# Altium PCB Masterboard_Lora_USB.PcbDoc
Units mm, origin at the board's own origin, x right, y up, seen from the top; angles counter-clockwise.
Board outline 80.5 x 75.5 mm, 2 copper layers (Top Layer, Bottom Layer), stack 1.57 mm thick; 69 components, 58 nets, 276 pads, 64 vias.
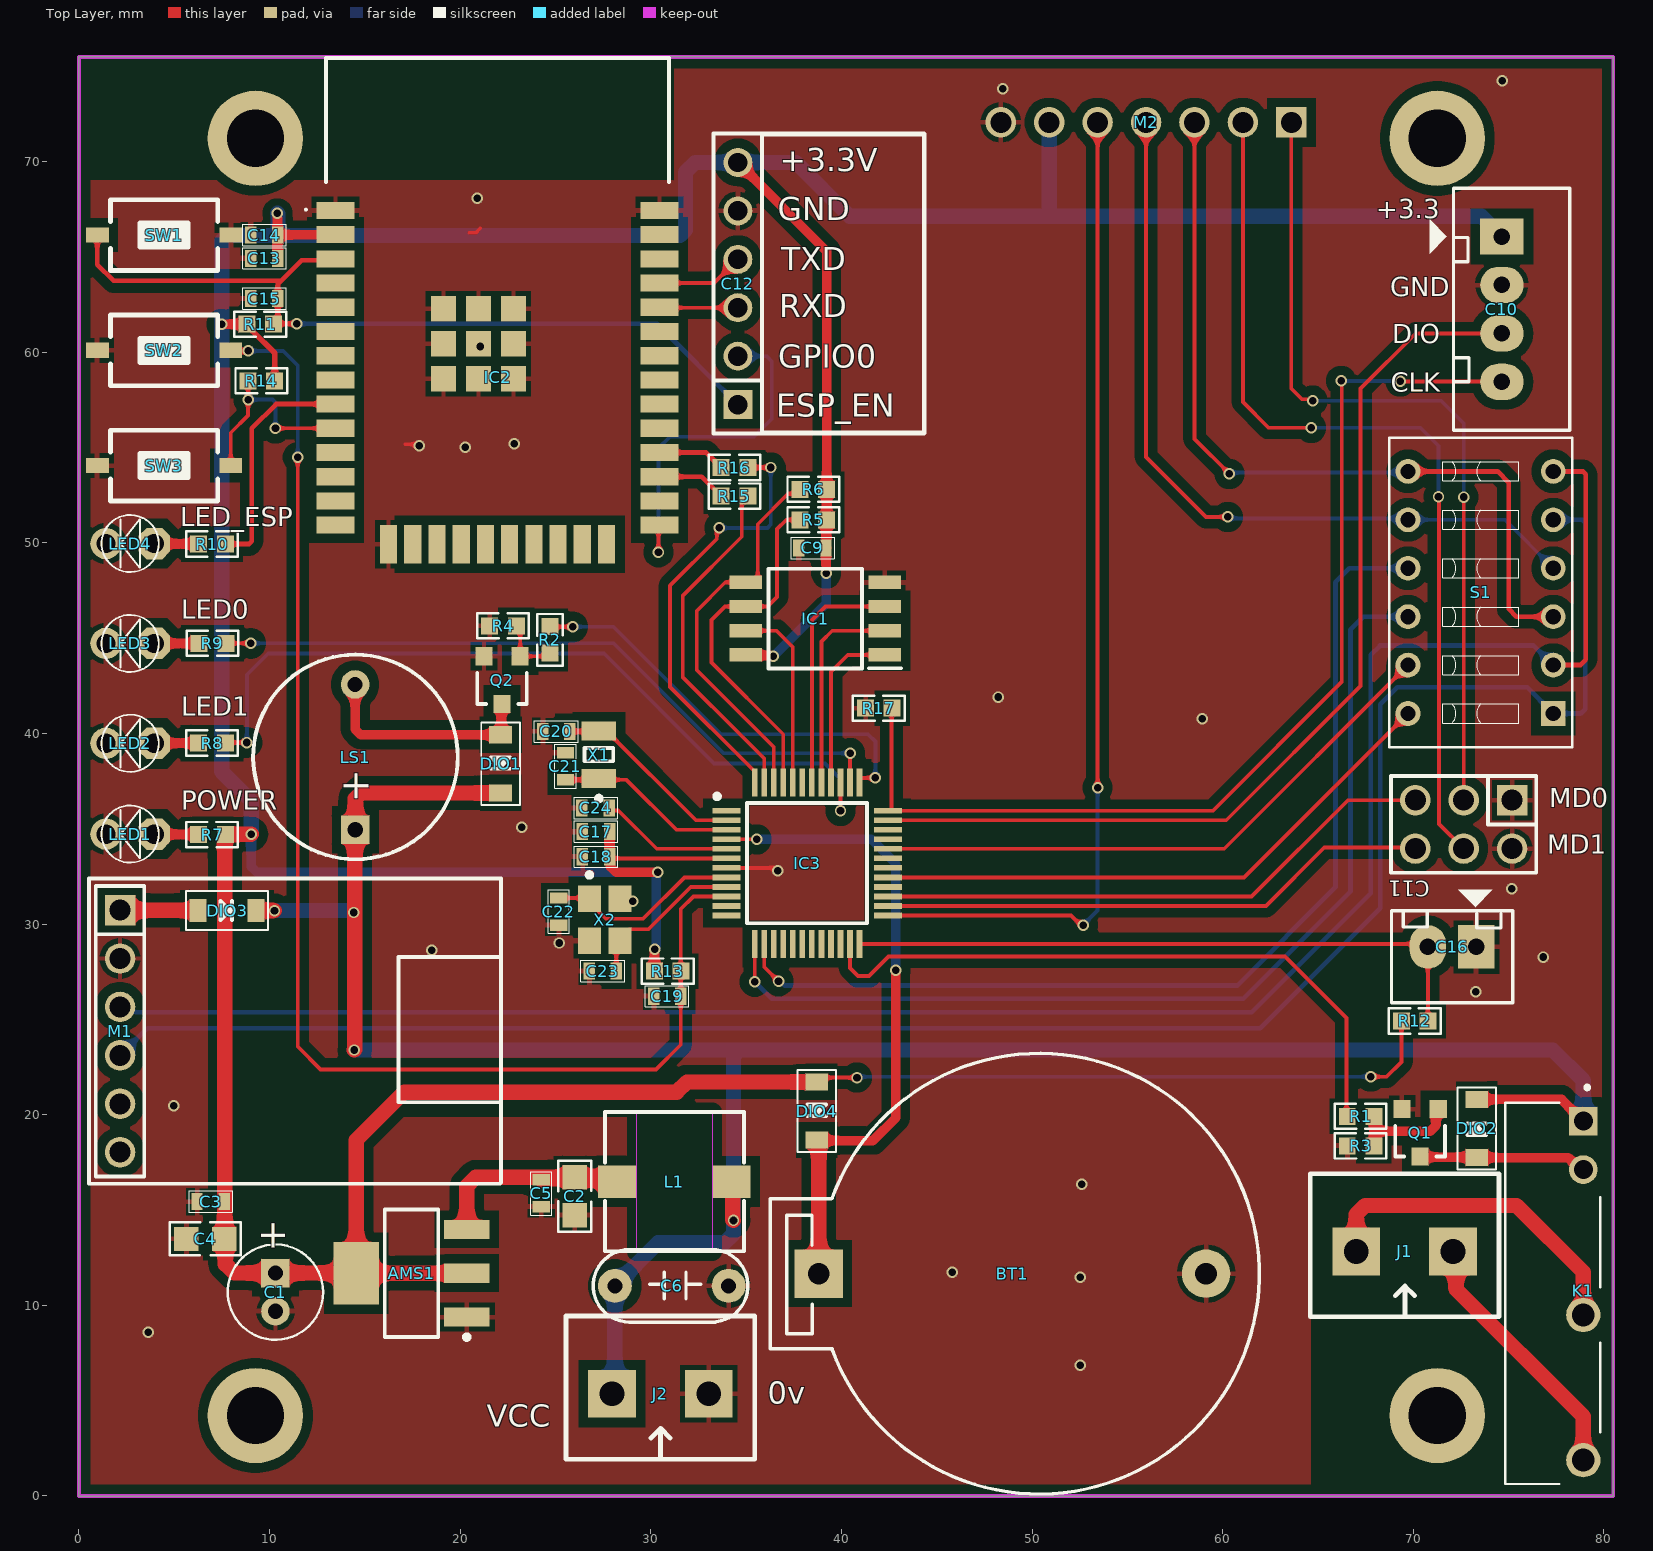
[diagram p0: Top Layer view]
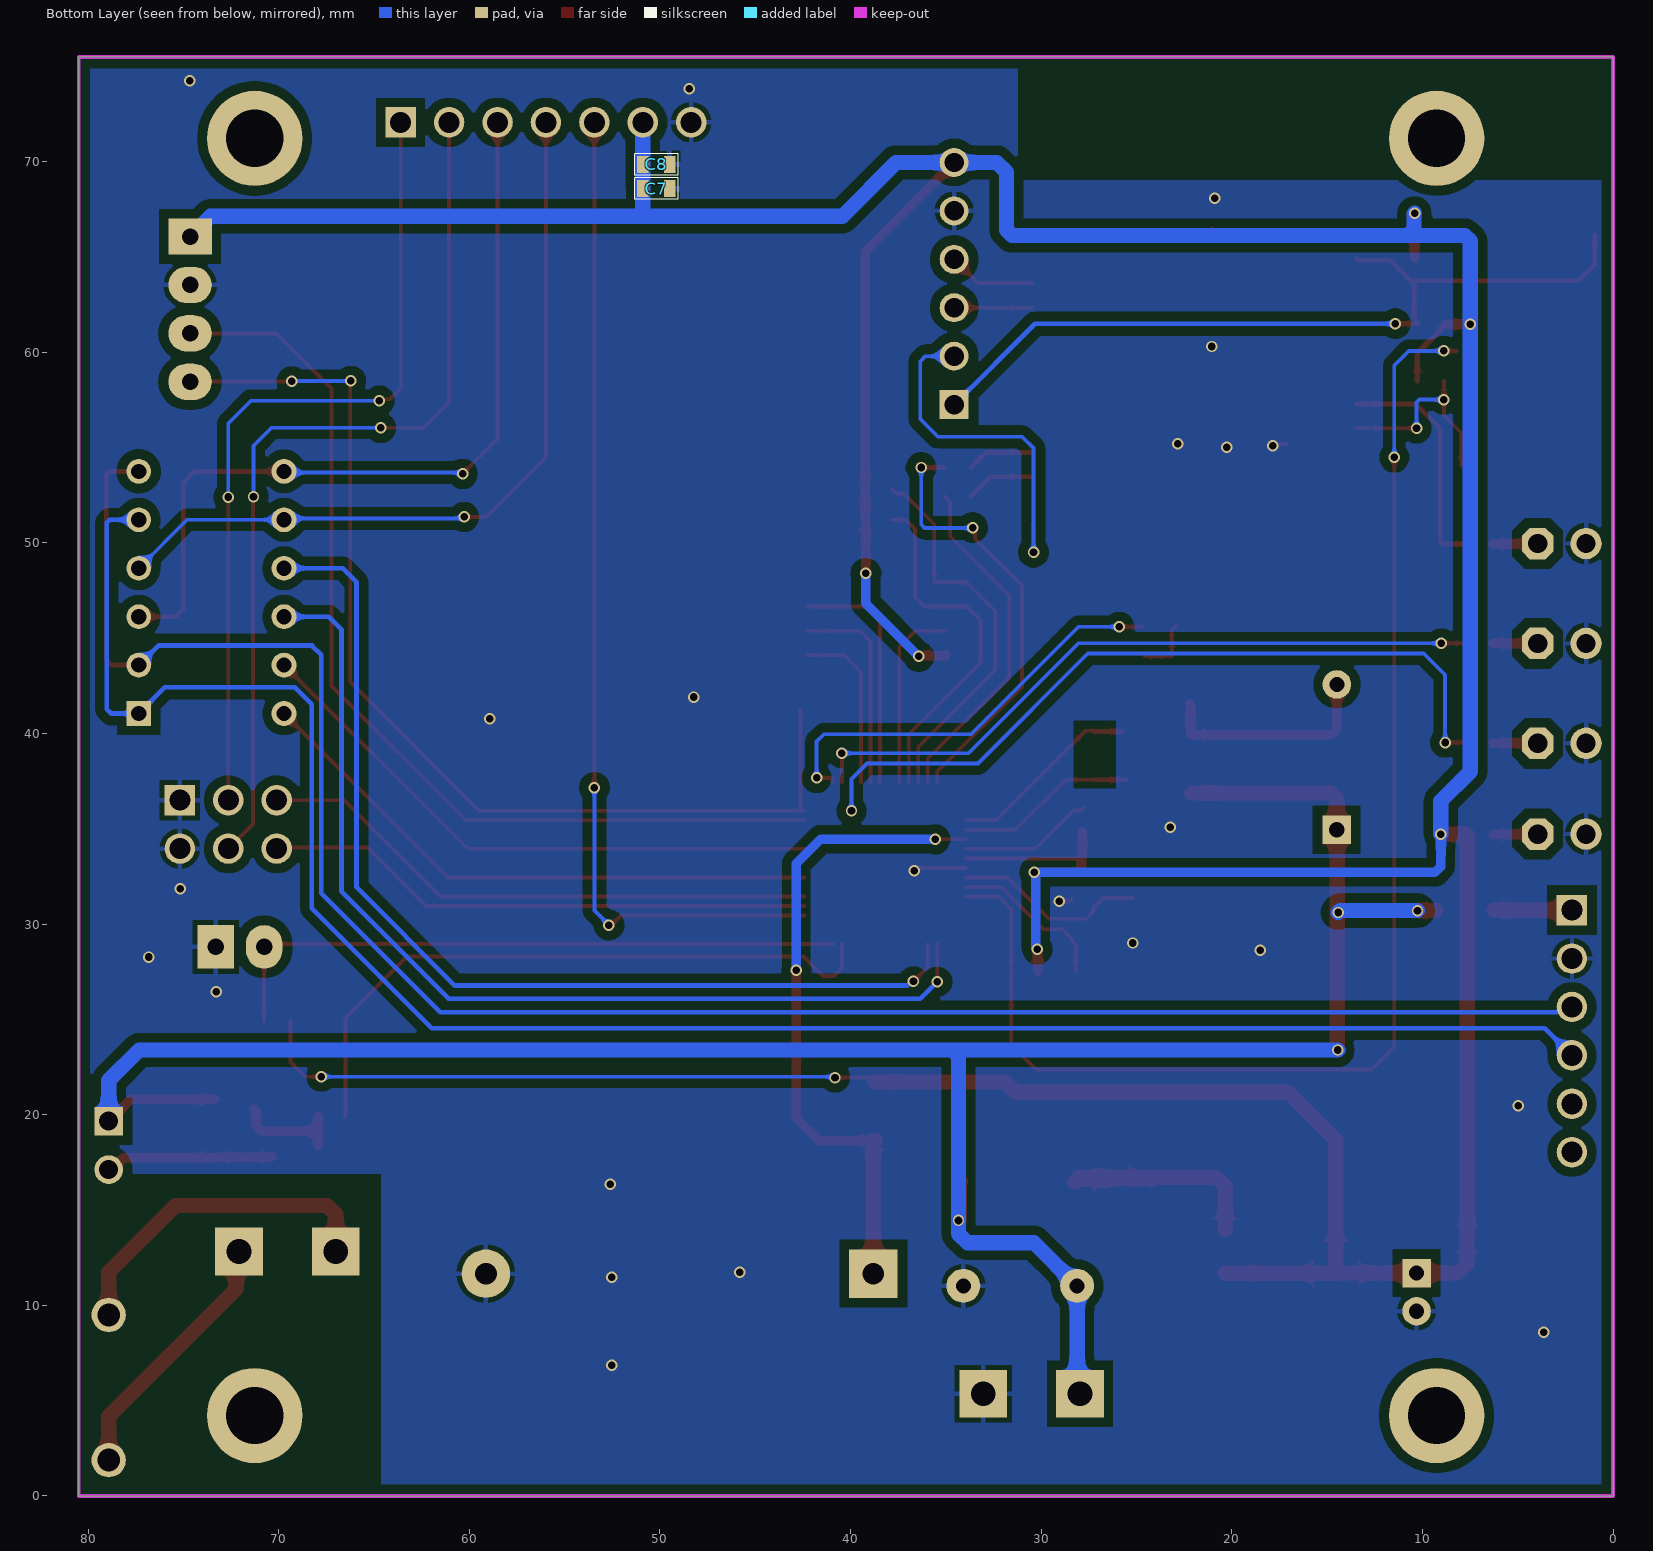
[diagram p1: Bottom Layer view, seen from below]
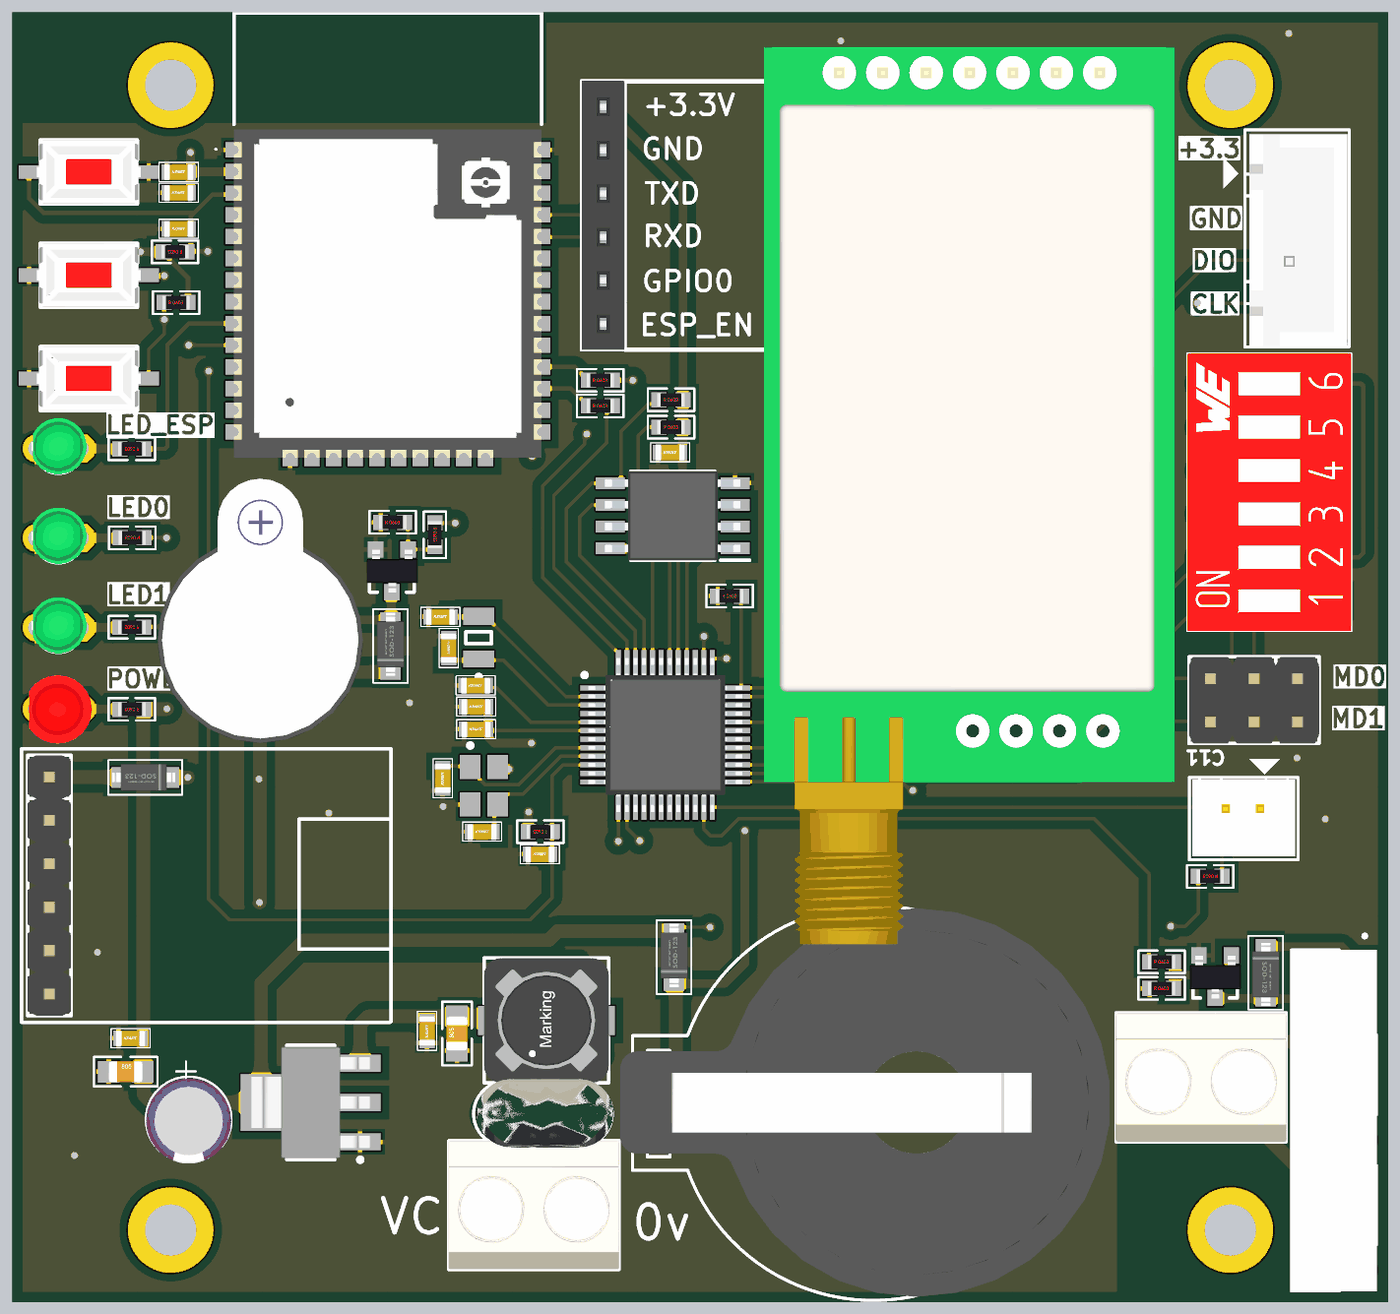
[diagram p2: 3D render of the assembled board from above, using the file's embedded part models]

## Layer stack, top to bottom
Top Solder: solder mask 0.0102, Solder Resist, Dk 3.5
Top Layer: signal copper 0.0356
Dielectric 1: core 1.4986, Core-043, Dk 4.3
Bottom Layer: signal copper 0.0356
Bottom Solder: solder mask 0.0102, Solder Resist, Dk 3.5

## Board outline
-0.008,-0.008 80.492,-0.008 80.492,75.492 -0.008,75.492

## Design rules (kind name [scope] priority, off if disabled: settings)
Clearance [All] p1: gap=0.25 ignorepadtopadclearanceinfootprint=TRUE except(0.5: Arc-Fill Arc-Poly Arc-Region Track-Fill Track-Poly Track-Region SMDPad-Fill SMDPad-Poly SMDPad-Region THPad-Fill THPad-Poly THPad-Region Via-Fill Via-Poly Via-Region Fill-Fill Fill-Poly Fill-Region Poly-Poly Poly-Region Region-Region)
PolygonConnect [All] p1: thpad.connectstyle=Relief thpad.reliefconductorwidth=0.254 thpad.reliefentries=4 thpad.polygonreliefangle="90 Angle" thpad.airgapwidth=0.254 smdpad.connectstyle=Relief smdpad.reliefconductorwidth=0.254 smdpad.reliefentries=4 smdpad.polygonreliefangle="90 Angle" smdpad.airgapwidth=0.254 via.connectstyle=Direct via.reliefconductorwidth=0.254 via.reliefentries=4 via.polygonreliefangle="90 Angle" via.airgapwidth=0.254
RoutingVias [All] p1: holewidth=0.4 width=0.6 viastyle="Through Hole" minholewidth=0.4 minwidth=0.6 maxholewidth=0.4 maxwidth=0.6
SolderMaskExpansion [All] p1: expansion=0.102 istentingtop=FALSE
Width [All] p1: maxlimit=0.8 minlimit=0.2 preferedwidth=0.25
30 further rules are at their usual default settings.

## Components (designator, comment, footprint, x,y, rotation, side; value= is the part's Value field where it differs from the comment)
AMS1 "AMS1117" SOT223_N 17.45,11.684 r180 top
BT1 "PIN 3V" PIN3V 38.811,11.659 r0 top locked
C1 "100uF" CA-ALU-5 10.312,10.693 r270 top value=104
C2 "22uF" CAP_0805 26.01,15.723 r90 top
C3 "100nF" CAP_0603 6.909,15.443 r0 top
C4 "22uF" CAP_0805 6.629,13.487 r0 top
C5 "100nF" CAP_0603 24.257,15.875 r90 top
C6 "100nF" CN2.5 31.293,11.024 r180 top value=33pF
C7 "4.7uF" CAP_0603 50.19,68.58 r0 bottom
C8 "100nF" CAP_0603 50.19,69.85 r0 bottom
C9 "100nF" CAP_0603 38.481,49.733 r0 top
C10 "Header4" Header4 74.651,66.065 r270 top
C11 "JP3x2" JP3-D2T 72.644,35.23 r180 top
C12 "JP6" JP6-C1T 34.569,57.252 r90 top
C13 "4.7uF" CAP_0603 9.728,64.922 r0 top
C14 "100nF" CAP_0603 9.728,66.142 r0 top
C15 "100nF" CAP_0603 9.728,62.814 r0 top
C16 "Header2" Header2 73.304,28.804 r180 top
C17 "4.7uF" CAP_0603 27.127,34.849 r0 top
C18 "100nF" CAP_0603 27.127,33.528 r0 top
C19 "100nF" CAP_0603 30.861,26.213 r0 top
C20 "20pF" CAP_0603 25.044,40.107 r0 top
C21 "20pF" CAP_0603 25.527,38.278 r270 top
C22 "20pF" CAP_0603 25.171,30.658 r90 top
C23 "20pF" CAP_0603 27.483,27.534 r0 top
C24 "100nF" CAP_0603 27.102,36.093 r0 top
DIO1 "Diode SMD" DIO-SMD-123 22.123,38.405 r90 top value=1N5007
DIO2 "Diode SMD" DIO-SMD-123 73.33,19.279 r270 top value=1N5007
DIO3 "Diode SMD" DIO-SMD-123 7.772,30.709 r180 top value=1N5007
DIO4 "Diode SMD" DIO-SMD-123 38.71,20.193 r90 top value=1N5007
IC1 "24LC512-E_SM" SOIC127P794X203-8N 38.633,46.025 r180 top
IC2 "ESP32-WROOM-32UE_M113EH2800UH3Q0_" ESP32WROOM32UEM113EH2800UH3Q0 21.962,62.677 r0 top
IC3 "STM32G070CBT6" QFP50P900X900X160-48N 38.202,33.198 r0 top
J1 "KF2" KF2-5.08 69.545,12.827 r180 top
J2 "KF2" KF2-5.08 30.505,5.359 r180 top
K1 "HF49FD/005-1H12T" RELAY_HF49FD/005-1H12T 77.318,10.63 r270 top
L1 "3.3uH" L-SMD-M-7.3x4.5 31.242,16.485 r270 top
LED1 "LED" LED-3MM-RED 3.962,34.722 r180 top value="LED 3 ly Single Colour"
LED2 "LED" LED-3MM-GREEN 3.962,39.481 r180 top value="LED 3 ly Single Colour"
LED3 "LED" LED-3MM-GREEN 3.962,44.721 r180 top value="LED 3 ly Single Colour"
LED4 "LED" LED-3MM-GREEN 3.962,49.962 r180 top value="LED 3 ly Single Colour"
LS1 "Speaker" SPEAKER 14.503,34.95 r90 top locked
M1 "CP2102 Module MicroUSB" "CP2102 MODULE" 2.235,25.73 r180 top
M2 "Lora_AS32_1W" LORA_AS32-TTL-1W 55.982,72.175 r270 top locked
Q1 "2N222" SOT23-231 70.358,19.05 r180 top value=C1815
Q2 "2N222" SOT23-231 22.2,42.799 r180 top value=C1815
R1 "1K" RES_0603 67.234,19.914 r0 top
R2 "1K" RES_0603 24.714,44.907 r270 top
R3 "10K" RES_0603 67.234,18.364 r0 top
R4 "10K" RES_0603 22.25,45.644 r0 top
R5 "4.7K" RES_0603 38.532,51.206 r0 top
R6 "4.7K" RES_0603 38.532,52.807 r0 top
R7 "330R" RES_0603 6.985,34.696 r180 top
R8 "330R" RES_0603 6.985,39.497 r180 top
R9 "330R" RES_0603 7.01,44.729 r180 top
R10 "330R" RES_0603 6.985,49.936 r180 top
R11 "10K" RES_0603 9.512,61.468 r180 top
R12 "10K" RES_0603 70.079,24.917 r180 top
R13 "10K" RES_0603 30.886,27.534 r180 top
R14 "10K" RES_0603 9.576,58.496 r0 top
R15 "0R" RES_0603 34.392,52.451 r0 top
R16 "0R" RES_0603 34.392,53.95 r0 top
R17 "10K" RES_0603 41.961,41.326 r0 top
S1 "" SW-DIP6 73.533,47.396 r90 top
SW1 "SW" SW1-SMD 4.47,66.142 r180 top value="SW chip 2 pin"
SW2 "SW" SW1-SMD 4.47,60.096 r0 top value="SW chip 2 pin"
SW3 "SW" SW1-SMD 4.47,54.051 r0 top value="SW chip 2 pin"
X1 "32.768 KHZ" XT2-32.768KHz-2_V 27.28,38.887 r90 top value=4Mhz
X2 "XT4" XT4-16.000MHz-4_V 27.584,30.226 r270 top value=4Mhz

## Footprints (in the part's own frame and the unit in brackets; to place one, negate y for a bottom-side part, rotate by r counter-clockwise, add the part's x,y. Pads: shape width x height; smd on the part's side, far side on the other; paste and mask are expansions set on the pad)
CA-ALU-5 [mm] "Polarized capacitors, Aluminum Electrolytic Capacitors, 2-Leads, Body 5x11x2x0.5"
  rect 1.5x1.5 hole 0.8: 1(-1,0)
  round 1.5 hole 0.8: 2(1,0)
  silkscreen extent -2.5,-2.5 2.5,2.5, body extent -2.41,-2.5 2.59,2.5, height 11
CAP_0603 [mm] "Capacitor"
  rect 0.6x0.9 smd mask+0.051: 1(-0.711,0) 2(0.711,0)
  silkscreen extent -1.14,-0.56 1.14,0.56, body extent -0.87,-0.48 0.87,0.47, height 0.87
CAP_0805 [mm] "Ceramic Capacitor"
  rect 1.27x1.27 smd mask+0.076: 1(-1,0) 2(1,0)
  silkscreen extent -1.86,-0.86 1.86,0.86, body extent -1,-0.63 1,0.63, height 0.78
CN2.5 [mil] "Tu pin to pin 250mil"
  round 70 hole 31: 1(-110,0) 2(125,0)
  silkscreen extent -150,-75 170,75, body extent -152,-80 162,77, height 539
"CP2102 MODULE" [mm]
  rect 1.6x1.6 hole 1.1: 1(0.076,-5.004)
  round 1.6 hole 1.1: 2(0.076,-2.464) 3(0.076,0.076) 4(0.076,2.616) 5(0.076,5.156) 6(0.076,7.696)
  silkscreen extent -19.91,-6.65 1.7,9.35, body extent -19.91,-6.65 1.7,9.35, height 8.54
DIO-SMD-123 [mm]
  rect 0.9x1.2 smd: 1(1.524,0) 2(-1.524,0)
  silkscreen extent -2.16,-1.02 2.16,1.02, body extent -1.76,-0.8 1.94,0.8, height 1.25
ESP32WROOM32UEM113EH2800UH3Q0 [mm]
  rect 2x0.9 smd: 1(-8.5,4.76) 2(-8.5,3.49) 3(-8.5,2.22) 4(-8.5,0.95) 5(-8.5,-0.32) 6(-8.5,-1.59) 7(-8.5,-2.86) 8(-8.5,-4.13) 9(-8.5,-5.4) 10(-8.5,-6.67) 11(-8.5,-7.94) 12(-8.5,-9.21) 13(-8.5,-10.48) 14(-8.5,-11.75) 25(8.5,-11.75) 26(8.5,-10.48) 27(8.5,-9.21) 28(8.5,-7.94) 29(8.5,-6.67) 30(8.5,-5.4) 31(8.5,-4.13) 32(8.5,-2.86) 33(8.5,-1.59) 34(8.5,-0.32) 35(8.5,0.95) 36(8.5,2.22) 37(8.5,3.49) 38(8.5,4.76)
  rect 0.9x2 smd: 15(-5.715,-12.75) 16(-4.445,-12.75) 17(-3.175,-12.75) 18(-1.905,-12.75) 19(-0.635,-12.75) 20(0.635,-12.75) 21(1.905,-12.75) 22(3.175,-12.75) 23(4.445,-12.75) 24(5.715,-12.75)
  rect 1.33x1.33 smd: 39(-1,-2.24) 40(-2.835,-4.075) 41(-1,-4.075) 42(0.835,-4.075) 43(0.835,-2.24) 44(0.835,-0.405) 45(-1,-0.405) 46(-2.835,-0.405) 47(-2.835,-2.24)
  silkscreen extent -10.1,4.75 9,12.75, body extent -9,-13.25 9,5.95, height 3.2
Header2 [mil] "CON2"
  rect 75x90 hole 34: 1(0,0)
  oval 75x90 hole 34: 2(100,0)
  silkscreen extent -75,-118 175,115, body extent -68,-70 168,107, height 236
Header4 [mil] "CON4"
  rect 75x90 hole 34: 1(0,0)
  oval 75x90 hole 34: 2(100,0) 3(200,0) 4(300,0)
  silkscreen extent -100,-150 400,140, body extent -90,-90 398,136, height 276
JP3-D2T [mm] "6 pins, dual pin, straight, gold plating"
  rect 1.6x1.6 hole 1.1: 1(-2.54,-1.27)
  round 1.6 hole 1.1: 2(0,-1.27) 3(2.54,-1.27) 4(2.54,1.27) 5(0,1.27) 6(-2.54,1.27)
  silkscreen extent -3.81,-2.54 3.81,2.54, body extent -3.81,-2.54 3.81,2.54, height 8.55
JP6-C1T [mm] "6 row, straight, gold plating"
  rect 1.52x1.52 hole 1.02: 1(0,0)
  round 1.52 hole 1.02: 2(2.54,0) 3(5.08,0) 4(7.62,0) 5(10.16,0) 6(12.7,0)
  silkscreen extent -1.52,-1.27 14.22,1.27, body extent -1.52,-1.25 14.22,1.25, height 8.51
KF2-5.08 [mm]
  rect 2.5x2.5 hole 1.3: 1(-2.54,0) 2(2.54,0)
  silkscreen extent -4.95,-4.08 4.95,3.43, body extent -5,-4.07 5,3.43, height 10
L-SMD-M-7.3x4.5 [mm] "WE-PDA SMD Shielded Power Inductor, 7345"
  rect 1.7x2 smd: 1(0,3) 2(0,-3)
  Top Layer keep-out region: -3.65,-2 3.65,-2 3.65,2 -3.65,2
  silkscreen extent -3.65,-3.65 3.65,3.65, body extent -3.65,-3.65 3.65,3.65, height 4.05
LED-3MM-GREEN [mil]
  oct 65x65 hole 40: 1(0,0)
  round 65 hole 40: 2(100,0)
  silkscreen extent -9,-59 109,59, body extent -15,-70 112,60, height 182
LED-3MM-RED [mil]
  oct 65x65 hole 40: 1(0,0)
  round 65 hole 40: 2(100,0)
  silkscreen extent -9,-59 109,59, body extent -27,-77 117,80, height 181
LORA_AS32-TTL-1W [mm]
  rect 1.6x1.6 hole 1.1: 1(0.115,7.62)
  round 1.6 hole 1.1: 2(0.115,5.08) 3(0.115,2.54) 4(0.115,0) 5(0.115,-2.54) 6(0.115,-5.08) 7(0.115,-7.62)
  body extent -1.26,-12 51.24,12, height 12.5
PIN3V [mil] "Socket PIN 3V"
  rect 100x100 hole 45: 1(0,0)
  round 100 hole 45: 2(800,0)
  silkscreen extent -100,-455 910,455, body extent -128,-447 1002,449, height 278
QFP50P900X900X160-48N [mm]
  rect 1.475x0.3 smd: 1(-4.238,2.75) 2(-4.238,2.25) 3(-4.238,1.75) 4(-4.238,1.25) 5(-4.238,0.75) 6(-4.238,0.25) 7(-4.238,-0.25) 8(-4.238,-0.75) 9(-4.238,-1.25) 10(-4.238,-1.75) 11(-4.238,-2.25) 12(-4.238,-2.75) 25(4.238,-2.75) 26(4.238,-2.25) 27(4.238,-1.75) 28(4.238,-1.25) 29(4.238,-0.75) 30(4.238,-0.25) 31(4.238,0.25) 32(4.238,0.75) 33(4.238,1.25) 34(4.238,1.75) 35(4.238,2.25) 36(4.238,2.75)
  rect 0.3x1.475 smd: 13(-2.75,-4.238) 14(-2.25,-4.238) 15(-1.75,-4.238) 16(-1.25,-4.238) 17(-0.75,-4.238) 18(-0.25,-4.238) 19(0.25,-4.238) 20(0.75,-4.238) 21(1.25,-4.238) 22(1.75,-4.238) 23(2.25,-4.238) 24(2.75,-4.238) 37(2.75,4.238) 38(2.25,4.238) 39(1.75,4.238) 40(1.25,4.238) 41(0.75,4.238) 42(0.25,4.238) 43(-0.25,4.238) 44(-0.75,4.238) 45(-1.25,4.238) 46(-1.75,4.238) 47(-2.25,4.238) 48(-2.75,4.238)
  silkscreen extent -4.85,-3.15 3.15,3.62, body extent -4.5,-4.5 4.5,4.5, height 1.6
RELAY_HF49FD/005-1H12T [mm]
  rect 1.508x1.508 hole 1: 1(-9.03,1.6)
  round 1.508 hole 1: 2(-6.49,1.6)
  round 1.8 hole 1.2: 3(1.13,1.6) 4(8.75,1.6)
  silkscreen extent -10.9,-2.5 10,2.5, body extent -10,-2.5 10,2.5, height 12.5
RES_0603 [mil] "CASE: 0603"
  rect 35x35 smd mask+3: 1(-27.5,0) 2(27.5,0)
  silkscreen extent -54,-26 54,26, body extent -31,-16 31,16, height 18
SOIC127P794X203-8N [mm]
  rect 1.7x0.7 smd: 1(-3.65,1.905) 2(-3.65,0.635) 3(-3.65,-0.635) 4(-3.65,-1.905) 5(3.65,-1.905) 6(3.65,-0.635) 7(3.65,0.635) 8(3.65,1.905)
  silkscreen extent -4.5,-2.62 2.45,2.62, body extent -3.97,-2.62 3.97,2.62, height 2.03
SOT23-231 [mm]
  rect 0.9x0.95 smd mask+0: 1(0.95,-1.25)
  rect 0.9x0.95 smd: 2(-0.95,-1.25) 3(0,1.25)
  silkscreen extent -1.3,-0.38 1.3,1.25, body extent -1.52,-1.23 1.48,1.27, height 1.06
SOT223_N [mm]
  rect 2.4x1 smd: 1(-2.9,2.3) 2(-2.9,0) 3(-2.9,-2.3)
  rect 2.4x3.3 smd: 2(2.9,0)
  silkscreen extent -3.02,-3.35 1.4,3.47, body extent -3.47,-3.25 3.47,3.25, height 1.68
SPEAKER [mm]
  rect 1.5x1.5 hole 0.8: 1(0,0)
  round 1.5 hole 0.8: 2(7.62,0.013)
  silkscreen extent -1.55,-5.38 9.18,5.36, body extent -2.22,-6 13.24,6, height 4.5
SW1-SMD [mm]
  rect 1.2x0.8 smd: 1(-3.5,0) 2(3.5,0)
  silkscreen extent -2.82,-1.85 2.82,1.85, body extent -3.05,-1.85 3.05,1.85, height 2.5
SW-DIP6 [mm] "06p, 2.54mm Pitch, Horizontal, Box Type, THT, flat Actuator, red, without Tape, Tube"
  rect 1.3x1.3 hole 0.8: 1(-6.35,-3.81)
  round 1.3 hole 0.8: 2(-3.81,-3.81) 3(-1.27,-3.81) 4(1.27,-3.81) 5(3.81,-3.81) 6(6.35,-3.81) 7(6.35,3.81) 8(3.81,3.81) 9(1.27,3.81) 10(-1.27,3.81) 11(-3.81,3.81) 12(-6.35,3.81)
  silkscreen extent -8.12,-4.8 8.12,4.8, body extent -8.12,-4.8 8.12,4.8, height 5.4
XT2-32.768KHz-2_V [mm] "Hand Drawn, 2-Leads, Body 3.2x1.5mm, Pitch 2.5mm"
  rect 1x1.8 smd: 1(-1.25,0) 2(1.25,0)
  silkscreen extent -2.43,-0.75 0.35,0.75, body extent -1.6,-0.75 1.6,0.75, height 0.9
XT4-16.000MHz-4_V [mm] "Hand Drawn, 4-Leads, Body 3.2x2.5 mm"
  rect 1.4x1.2 smd: 1(-1.1,-0.8) 2(1.1,-0.8) 3(1.1,0.8) 4(-1.1,0.8)
  silkscreen extent -2.47,-0.92 -2.23,-0.67, body extent -1.6,-1.25 1.6,1.25, height 0.9

## Part data
BT1: "Battery 3VDC"
C1: library part CN-ALU-DIP, "Capacitor (Semiconductor SIM Model)", LatestRevisionDate=17-Jul-2002, LatestRevisionNote="Re-released for DXP Platform.", PackageReference=C1206, Publisher="Altium Limited"
C2 C4: library part CAP_22uF-25V-20%-0805, "22µF ±20% 25V Ceramic Capacitor X5R 0805 (2012 Metric)", Case/Package=0805, Manufacturer="Murata Electronics", Manufacturer Part Number=GRM21BR61E226ME44K, Supplier-1=Digikey
C3 C5 C8 C9 C14 C15 C18 C19 C24: library part CAP_100nF-10V-5%-0603, "0.1µF ±10% 10V Ceramic Capacitor X7R 0603 (1608 Metric)", Case/Package=0603, Manufacturer=Yageo, Manufacturer Part Number=CC0603KRX7R6BB104, Supplier-1=Digikey
C6: library part CN
C7 C13 C17: library part CAP_4.7uF-16V-10%-0603, "4.7µF ±10% 16V Ceramic Capacitor X5R 0603 (1608 Metric)", Case/Package=0603, Manufacturer="Murata Electronics", Manufacturer Part Number=GRM188R61C475KAAJD, Supplier-1=Digikey
C10: "Header IDC, 4 x 1 Pin Vertical 2.54mm Pitch (Non-Boxed, Male)", Manufacturer="W¨¹rth Elektronik eiSos GmbH", partNo=613002143121, ComponentLink1 Description=Manufacturer, ComponentLink1URL=http://www.we-online.com, ComponentLink2 Description=Datasheet, ComponentLink2URL=http://katalog.we-online.de/em/datasheet/6130xx143121.pdf, Created by="Karrer Zheng", Created Date="29 March 2013", NoPins=02
C11: "WR-PHD 2.54 mm Dual Socket Header", Manufacturer="W¨¹rth Elektronik eiSos GmbH", partNo=61300621821, ComponentLink1 Description=Manufacturer, ComponentLink1URL=http://www.we-online.com, ComponentLink2 Description=Datasheet, ComponentLink2URL=http://katalog.we-online.de/em/datasheet/6130xx21821.pdf, Created by="Karrer Zheng", Created Date="29 March 2013", NoPins=06
C12: "WR-PHD 2.54 mm Angled Socket Header", Manufacturer="W¨¹rth Elektronik eiSos GmbH", partNo=613006143121, ComponentLink1 Description=Manufacturer, ComponentLink1URL=http://www.we-online.com, ComponentLink2 Description=Datasheet, ComponentLink2URL=http://katalog.we-online.de/em/datasheet/6130xx143121.pdf, Created by="Karrer Zheng", Created Date="29 March 2013", NoPins=06
C16: "Header IDC, 2 x 1 Pin Vertical 2.54mm Pitch (Non-Boxed, Male)", Manufacturer="W¨¹rth Elektronik eiSos GmbH", partNo=613002143121, ComponentLink1 Description=Manufacturer, ComponentLink1URL=http://www.we-online.com, ComponentLink2 Description=Datasheet, ComponentLink2URL=http://katalog.we-online.de/em/datasheet/6130xx143121.pdf, Created by="Karrer Zheng", Created Date="29 March 2013", NoPins=02
C20 C21 C22 C23: library part CAP_1nF-10V-10%-0603, "1000pF ±10% 10V Ceramic Capacitor X7R 0603 (1608 Metric)", Case/Package=0603, Manufacturer=Yageo, Manufacturer Part Number=CC0603KRX7R6BB102, Supplier-1=Digikey
DIO1 DIO2 DIO3 DIO4: "Default Diode", Code - JEDEC=DO-214-AB, Published=8-Jun-2000, Publisher="Altium Limited", Revision="July-2002: Re-released for DXP Platform."
IC1: "Integrated Circuit", Arrow Part Number=24LC512-E/SM, Manufacturer_Name=Microchip, Mouser Part Number=579-24LC512-E/SM, Arrow Price/Stock=https://www.arrow.com/en/products/24lc512-esm/microchip-technology, Datasheet Link=http://componentsearchengine.com/Datasheets/1/24LC512-E_SM.pdf, Height=2.03mm, Manufacturer_Part_Number=24LC512-E/SM, Mouser Price/Stock=https://www.mouser.co.uk/ProductDetail/Microchip-Technology/24LC512-E-SM?qs=gZwDaUDMhIcEA5S%2FxwtPXA%3D%3D
IC2: "Integrated Circuit", Manufacturer_Name="Espressif Systems", Manufacturer_Part_Number=ESP32-WROOM-32UE(M113EH2800UH3Q0), Mouser Part Number=356-ESP32WRM32UE28UH, Datasheet Link=https://www.mouser.co.uk/datasheet/2/891/esp32_wroom_32e_esp32_wroom_32ue_datasheet_en-1855879.pdf, Height=3.35mm, Mouser Price/Stock=https://www.mouser.co.uk/ProductDetail/Espressif-Systems/ESP32-WROOM-32UEM113EH2800UH3Q0?qs=vHuUswq2%252BswmjMZOJoYkgw%3D%3D
IC3: "Integrated Circuit", Manufacturer_Name=STMicroelectronics, Mouser Part Number=511-STM32G070CBT6, Arrow Part Number=STM32G070CBT6, Arrow Price/Stock=https://www.arrow.com/en/products/stm32g070cbt6/stmicroelectronics?region=nac, Datasheet Link=http://www.mouser.com/datasheet/2/389/stm32g070cb-1517433.pdf, Height=1.6mm, Manufacturer_Part_Number=STM32G070CBT6, Mouser Price/Stock=https://www.mouser.co.uk/ProductDetail/STMicroelectronics/STM32G070CBT6?qs=l7cgNqFNU1gFKn1as7Ms0g%3D%3D
J1 J2: Manufacturer="Würth Elektronik eiSos GmbH", partNo=691103110002, ComponentLink1 Description=Manufacturer, ComponentLink1URL=http://www.we-online.com, ComponentLink2 Description=Datasheet, ComponentLink2URL=http://katalog.we-online.de/em/datasheet/6911031100xx.pdf, Created by="Karrer Zheng", Created Date="29 October 2013", NoPins=2
K1: "Relay: electromagnetic; SPST-NO; Ucoil: 5VDC; 5A/250VAC; 5A/30VDC", Package=None, Availability=Unavailable, MF=Hongfa, MP=HF49FD/005-1H12T, Price=None, SnapEDA_Link=https://www.snapeda.com/parts/HF49FD/005-1H12T/Hongfa/view-part/2753221/?ref=snap
L1: library part L-SMD-1, Inductance="1.0 μH", Manufacturer="Wurth Elektronik", partNo=78477010, ComponentLink1Description=Manufacturer, ComponentLink1URL=http://www.we-online.de, ComponentLink2Description=Datasheet, ComponentLink2URL=http://katalog.we-online.de/pbs/datasheet/78477010.pdf, Created by="Baojun Chen", Created Date=Nov.2015
LED1 LED2 LED3 LED4: "LED Single colour Green and Red"
LS1: "Loudspeaker", LatestRevisionDate=17-Jul-2002, LatestRevisionNote="Re-released for DXP Platform.", PackageReference=PIN2, Published=24-Mar-1999, Publisher="Altium Limited"
Q1 Q2: "NPN 600mW, ECB"
R1 R2 R13 R17: library part RES_1K-0.1W-1%-0603, "1 kOhms ±1% 0.1W, 1/10W Chip Resistor 0603 (1608 Metric) Thick Film", Case/Package=0603, Manufacturer=Yageo, Manufacturer Part Number=RC0603FR-071KL, Supplier-1=Digikey
R3 R4 R11 R12 R14: library part RES_10K-0.1W-1%-0603, "10 kOhms ±1% 0.1W, 1/10W Chip Resistor 0603 (1608 Metric) Thick Film", Case/Package=0603, Manufacturer=Yageo, Manufacturer Part Number=RC0603FR-0710KL, Supplier-1=Digikey
R5 R6 R7 R8 R9 R10: library part RES_3.3R-0.1W-1%-0603, "3.3 Ohms ±1% 0.1W, 1/10W Chip Resistor 0603 (1608 Metric) Automotive AEC-Q200, Current Sense Thick Film", Case/Package=0603, Manufacturer="Panasonic Electronic Components", Manufacturer Part Number=ERJ-3RQF3R3V, Supplier-1=Digikey
R15 R16: library part RES_0R-0.1W-1%-0603, "0 Ohms Jumper 0.1W, 1/10W Chip Resistor 0603 (1608 Metric) Thick Film", Case/Package=0603, Manufacturer=Yageo, Manufacturer Part Number=RC0603JR-070RL, Supplier-1=Digikey
S1: library part SWDIP6, "WS-DITV 2.54 mm small compact THT flat actuator with top tape", Manufacturer="Wurth Elektronik", Part No.=418127160906, ComponentLink1 Description=Manufacturer, ComponentLink1URL=http://www.we-online.com, ComponentLink2 Description=Datasheet, ComponentLink2URL=http://katalog.we-online.de/em/datasheet/4181271609xx.pdf, Created by="Baojun Chen", Created Date=Dec.2015, Pole=06
SW1 SW2 SW3: library part SW2, "Switch button 2 pin"
X1: library part XT2, "Crystal, 32.768 KHz, -40 to 85 degC, 3.2 x 1.5 x 0.9 mm SMD"
X2: "Crystal, 16 MHz, -30 to 85 degC, 3.2 x 2.5 x 0.9 mm SMD"

## Free pads (board coordinates)
  round 5 hole 3: 1(9.259,4.219) 2(9.259,71.219) 3(71.259,71.219) 4(71.259,4.219)

## Via types
v1: diameter 0.6, hole 0.4, Top Layer to Bottom Layer, tented both sides, 64 vias

## Nets (pads, with @x,y where several pads share a name; then routed paths per layer and width w, separated by ;. In a path a pad name is that pad's centre, name@x,y a point inside that pad or via, vN(x,y) a via of type N, cw(c..) or ccw(c..) an arc to the next point about the centre after c; other vN are vias at no path point)
+3.3V: AMS1.2 C1.1 C3.2 C4.2 C7.2 C8.2 C9.2 C10.1 C12.6 C13.2 C14.2 C17.2 C18.2 DIO4.1 IC1.8 IC2.2 IC3.6 M2.6 R5.2 R6.2 R7.1 R11.2 R12.2 R13.2 R14.2 | length 292.5
  Top Layer w0.2: C18.2@27.919,33.448 IC3.6 ; DIO4.1 38.938,21.946 v1(40.818,21.946) ; v1(67.767,21.996) 68.605,21.996 69.38,22.771 R12.2
  Top Layer w0.3: R11.2 9.108,61.173 9.108,61.116 10.274,59.95 R14.2
  Top Layer w0.5: v1(7.493,61.468) R11.2 ; C4.2 C4.2@7.683,13.487 ; C13.2@10.414,64.922 C14.2@10.414,66.142 ; v1(10.414,67.285) C14.2@10.414,66.142 ; IC2.2 13.449,66.154 10.427,66.154 C14.2@10.414,66.142 ; C17.2 C18.2 27.888,33.478 27.888,33.009 28.181,32.716 v1(30.364,32.716) ; R13.2 30.188,28.664 v1(30.201,28.677) ; C12.6 39.23,65.291 R6.2 R5.2 39.211,51.187 39.211,49.752 39.23,49.733 39.199,49.701 39.199,48.406 v1(39.205,48.4) ; IC1.8 35.021,44.082 36.386,44.082 v1(36.424,44.044)
  Top Layer w0.8: C4.2 7.656,13.514 7.656,34.669 R7.1 7.696,34.709 9.03,34.709 v1(9.042,34.722) ; C4.2@7.683,13.487 7.683,12.162 8.152,11.693 C1.1 14.54,11.693 AMS1.2@14.55,11.684 ; AMS1.2@20.35,11.684 AMS1.2@14.55,11.684 ; DIO4.1 31.895,21.717 31.362,21.184 17.069,21.184 14.55,18.665 AMS1.2@14.55,11.684
  Bottom Layer w0.2: v1(40.818,21.946) 40.869,21.996 v1(67.767,21.996)
  Bottom Layer w0.5: v1(9.042,34.722) 9.042,33.02 9.346,32.716 v1(30.364,32.716) 30.282,32.634 30.282,28.758 v1(30.201,28.677) ; v1(36.424,44.044) 39.205,46.825 v1(39.205,48.4)
  Bottom Layer w0.8: v1(9.042,34.722) 9.042,36.449 7.493,37.998 v1(7.493,61.468) 7.493,65.823 7.786,66.116 10.783,66.116 ; v1(10.414,67.285) 10.452,67.246 10.452,66.447 10.783,66.116 ; M2.6 C8.2 C7.2 50.9,68.578 50.9,67.603 50.902,67.601 50.902,67.183 50.952,67.132 ; C10.1 73.584,67.132 50.952,67.132 ; 10.783,66.116 31.533,66.116 31.826,66.409 31.826,69.444 32.334,69.952 C12.6 37.617,69.952 40.437,67.132 50.952,67.132
+VREF: C24.2 IC3.5 | length 7
  Top Layer w0.2: C24.2 27.94,35.966 28.296,35.966 30.314,33.948 IC3.5
AUX: IC3.25 M2.5 | length 52.9
  Top Layer w0.2: IC3.25 52.049,30.448 52.551,29.947 v1(52.68,29.947) ; v1(53.442,37.16) M2.5
  Bottom Layer w0.2: v1(52.68,29.947) 53.442,30.709 v1(53.442,37.16)
BUTTON1: C16.2 IC3.24 R12.1 | length 33.8
  Top Layer w0.2: IC3.24 70.608,28.96 C16.2 70.764,24.93 R12.1
BUTTON_ESP: IC2.10 R14.1 SW3.2 | length 10.8
  Top Layer w0.2: SW3.2 7.97,55.775 8.877,56.682 v1@8.877,57.521 ; R14.1 v1@8.877,57.521 ; v1(8.887,57.511) v1@8.877,57.521 ; v1(10.312,56.007) IC2.10
  Bottom Layer w0.2: v1(8.887,57.511) 10.155,57.511 10.312,57.353 v1(10.312,56.007)
BUZZER: IC3.37 R2.1 | length 22.5
  Top Layer w0.2: R2.1 24.727,45.593 v1(25.908,45.593) ; IC3.37 40.952,37.618 41.002,37.668 v1(41.783,37.668)
  Bottom Layer w0.2: v1(25.908,45.593) 28.042,45.593 33.68,39.954 41.402,39.954 41.783,39.573 v1(41.783,37.668)
CP_RXI: M1.4 S1.1 S1.5 | length 103.3
  Bottom Layer w0.25: M1.4 3.582,24.537 61.977,24.537 68.267,30.828 68.267,41.521 69.164,42.418 75.971,42.418 S1.1 78.791,41.046 79.019,41.275 79.019,51.06 78.873,51.206 S1.5
CP_TXO: M1.3 S1.2 S1.6 | length 104.3
  Top Layer w0.25: S1.2 78.765,43.586 79.045,43.866 79.045,53.6 78.898,53.746 S1.6
  Bottom Layer w0.25: M1.3 2.417,25.396 2.959,25.396 2.98,25.375 61.519,25.375 67.767,31.623 67.767,44.12 68.259,44.611 76.318,44.611 S1.2
EEROM_A0: IC1.1 IC3.40 | length 9
  Top Layer w0.2: IC3.40 39.452,43.236 40.335,44.12 IC1.1
EEROM_A1: IC1.2 IC3.41 | length 11
  Top Layer w0.2: IC3.41 38.952,44.819 39.522,45.39 IC1.2
EEROM_A2: IC1.3 IC3.42 | length 12.6
  Top Layer w0.2: IC3.42 38.452,45.945 39.167,46.66 IC1.3
EEROM_WP: IC1.7 IC3.44 | length 9.9
  Top Layer w0.2: IC1.7 36.601,45.39 37.452,44.54 IC3.44
ESP_EN: C12.1 C15.2 IC2.3 R11.1 SW1.2 | length 43.4
  Top Layer w0.25: SW1.2 0.97,64.592 1.821,63.741 10.604,63.741 ; R11.1 10.439,61.697 C15.2 10.439,63.576 10.604,63.741 ; R11.1@10.236,61.493 v1(11.43,61.493) ; IC2.3 13.386,64.821 11.684,64.821 10.604,63.741
  Bottom Layer w0.25: v1(11.43,61.493) 30.328,61.493 C12.1
ESP_RXD: C12.3 IC2.34 | length 4.1
  Top Layer w0.2: IC2.34 30.487,62.332 C12.3
ESP_TXD: C12.4 IC2.35 | length 4.6
  Top Layer w0.2: IC2.35 33.325,63.627 C12.4
ESP_UART2_RX: IC2.27 R15.1 | length 3.7
  Top Layer w0.25: IC2.27 32.677,53.467 R15.1
ESP_UART2_TX: IC2.28 R16.1 | length 3.6
  Top Layer w0.25: IC2.28 32.906,54.737 R16.1
GND: AMS1.1 BT1.2 C1.2 C2.1 C3.1 C4.1 C5.1 C6.1 C7.1 C8.1 C9.1 C10.2 C11.1 C11.6 C12.5 C13.1 C14.1 C15.1 C16.1 C17.1 C18.1 C19.1 C20.1 C21.1 C22.1 C23.1 C24.1 IC1.4 IC2.1 IC2.15 IC2.38 IC2.39 IC2.40 IC2.41 IC2.42 IC2.43 IC2.44 IC2.45 IC2.46 IC2.47 IC3.7 J2.1 LED1.2 LED2.2 LED3.2 LED4.2 M1.2 M2.7 Q1.1 Q2.1 R3.1 R4.1 R17.1 SW1.1 SW2.1 SW3.1 X2.2 X2.4 | length 5.4
  Top Layer w0.2: v1(3.632,8.585) v1@3.632,8.661 ; v1(4.978,20.472) v1@4.978,20.549 ; 17.12,55.169 17.78,55.169 v1(17.856,55.093) ; 20.498,66.269 20.828,66.269 21.057,66.497 ; IC2.39 20.962,60.394 v1(21.057,60.3) ; X2.4 28.519,31.191 v1(29.058,31.191) ; IC3.7 36.496,32.948 v1(36.652,32.791) ; v1(48.235,41.91) v1@48.285,41.91 ; v1@58.928,40.691 v1(58.928,40.767)
  other v1: 52.527,6.858 52.527,11.481 45.822,11.735 52.603,16.358 73.279,26.441 76.81,28.27 18.517,28.626 25.197,29.007 75.159,31.852 23.241,35.077 20.269,55.016 22.835,55.194 20.904,68.072 48.463,73.812 74.676,74.244
GPIO_00: C12.2 IC2.25 | length 18.4
  Top Layer w0.2: v1(30.404,49.505) 30.404,50.869 IC2.25
  Bottom Layer w0.2: v1(30.404,49.505) 30.404,54.966 31.001,55.562 35.42,55.562 36.347,56.49 36.347,59.512 36.068,59.792 C12.2
I2C_SCL: IC1.6 IC3.45 R5.1 | length 19
  Top Layer w0.2: IC3.45 36.952,39.96 33.186,43.725 33.186,45.945 33.901,46.66 IC1.6 36.133,46.66 36.623,47.149 36.623,50.717 37.112,51.206 R5.1
I2C_SDA: IC1.5 IC3.46 R6.1 | length 20.5
  Top Layer w0.2: IC3.46 36.452,38.337 36.452,39.291 32.41,43.332 32.41,46.431 33.909,47.93 IC1.5 35.611,47.93 35.611,50.978 37.206,52.573 37.6,52.573 R6.1
LED: IC3.38 R9.1 | length 36.7
  Top Layer w0.2: R9.1 v1(9.017,44.729) ; IC3.38 40.452,38.953 v1(40.462,38.964)
  Bottom Layer w0.2: v1(9.017,44.729) 28.042,44.729 33.807,38.964 v1(40.462,38.964)
LED1: IC3.39 R8.1 | length 42.2
  Top Layer w0.2: R8.1 7.709,39.522 v1(8.814,39.522) ; IC3.39 39.952,35.944 v1(39.954,35.941)
  Bottom Layer w0.2: v1(8.814,39.522) 8.814,43.078 9.931,44.196 27.559,44.196 33.325,38.43 39.141,38.43 39.954,37.617 v1(39.954,35.941)
LED_ESP: IC2.9 R10.1 | length 12.3
  Top Layer w0.25: R10.1 8.921,49.936 9.068,50.083 9.068,56 10.345,57.277 IC2.9
LORA_MD0: C11.2 M2.1 | length 43.5
  Top Layer w0.2: M2.1 63.602,58.09 64.16,57.531 64.643,57.531 v1(64.719,57.455) ; C11.2 v1(72.644,52.4)
  Bottom Layer w0.2: v1(64.719,57.455) 71.45,57.455 72.644,56.261 v1(72.644,52.4)
LORA_MD1: C11.5 M2.2 | length 47.5
  Top Layer w0.2: M2.2 61.062,57.379 62.408,56.032 v1(64.643,56.032) ; v1@71.349,52.4 71.349,35.255 C11.5
  Bottom Layer w0.2: v1(64.643,56.032) 70.383,56.032 71.323,55.093 v1(71.323,52.426)
LORA_RXD: M2.3 S1.3 S1.7 | length 43.3
  Top Layer w0.2: M2.3 58.522,55.448 v1(60.35,53.619)
  Top Layer w0.25: S1.7 74.422,53.746 75.006,53.162 75.006,46.533 75.413,46.126 S1.3
  Bottom Layer w0.2: v1(60.35,53.619) 60.414,53.683 69.659,53.683 S1.7
LORA_TXD: M2.4 S1.4 S1.8 | length 41.3
  Top Layer w0.2: M2.4 55.982,54.508 59.131,51.359 v1(60.274,51.359)
  Bottom Layer w0.2: v1(60.274,51.359) 60.35,51.283 69.647,51.283 S1.8 74.803,51.206 S1.4
MD0: C11.3 IC3.27 | length 30
  Top Layer w0.2: IC3.27 61.521,31.448 66.573,36.5 C11.3@70.37,36.5
MD1: C11.4 IC3.26 | length 28.9
  Top Layer w0.2: IC3.26 62.266,30.948 65.329,34.011 C11.4@70.104,34.011
NetAMS1_3: AMS1.3 C2.2 C5.2 L1.2 | length 14.4
  Top Layer w0.8: AMS1.3 20.35,16.254 20.818,16.723 C2.2 ; C5.2 24.257,16.604 24.307,16.654 25.941,16.654 C2.2 ; L1.2 L1.2@28.123,16.604 ; C2.2 28.004,16.723 L1.2@28.123,16.604 ; C2.2 26.129,16.604 L1.2@28.123,16.604
NetDIO1_1: DIO1.1 LS1.2 Q2.3 | length 11.8
  Top Layer w0.5: LS1.2 14.491,40.222 14.784,39.929 DIO1.1 22.162,39.967 22.162,41.511 Q2.3
NetDIO2_1: DIO2.1 K1.2 Q1.3 | length 8.8
  Top Layer w0.5: Q1.3 70.381,17.777 73.307,17.777 DIO2.1 78.121,17.755 78.756,17.12 K1.2
NetDIO3_1: DIO3.1 M1.1 | length 4.1
  Top Layer w0.8: M1.1 2.172,30.721 6.236,30.721 DIO3.1
NetJ1_1: J1.1 K1.4 | length 13.8
  Top Layer w0.8: J1.1 72.238,12.674 72.238,10.846 78.918,4.166 K1.4
NetJ1_2: J1.2 K1.3 | length 17.7
  Top Layer w0.8: J1.2 67.005,14.771 67.474,15.24 75.413,15.24 78.918,11.735 K1.3
NetLED1_1: LED1.1 R7.2 | length 2.3
  Top Layer w0.5: LED1.1 3.975,34.709 6.274,34.709 R7.2
NetLED2_1: LED2.1 R8.2 | length 2.3
  Top Layer w0.5: LED2.1 3.97,39.489 6.278,39.489 R8.2
NetLED3_1: LED3.1 R9.2 | length 2.4
  Top Layer w0.5: LED3.1 3.966,44.725 6.308,44.725 R9.2
NetLED4_1: LED4.1 R10.2 | length 2.3
  Top Layer w0.5: LED4.1 3.975,49.949 6.274,49.949 R10.2
NetQ1_2: Q1.2 R1.2 R3.2 | length 5.8
  Top Layer w0.5: R3.2 67.932,19.139 ; R1.2 67.932,19.139 ; Q1.2 71.191,20.183 71.191,19.432 70.898,19.139 67.932,19.139
NetQ2_2: Q2.2 R2.2 R4.2 | length 3.3
  Top Layer w0.2: R4.2 23.15,45.443 Q2.2 24.554,44.049 R2.2
NRST: C19.2 IC3.10 R13.1 SW2.2 | length 70.2
  Top Layer w0.2: SW2.2@8.206,60.055 8.217,60.066 v1(8.885,60.066) ; v1(11.481,54.483) 11.481,23.571 12.675,22.377 30.277,22.377 31.572,23.673 C19.2 31.572,30.783 32.237,31.448 IC3.10
  Bottom Layer w0.2: v1(8.885,60.066) 10.724,60.066 11.481,59.309 v1(11.481,54.483)
OSC32_IN: C20.2 IC3.2 X1.2 | length 10.2
  Top Layer w0.2: X1.2 27.68,40.137 32.369,35.448 IC3.2
  Top Layer w0.25: C20.2 27.249,40.107 X1.2
OSC32_OUT: C21.2 IC3.3 X1.1 | length 9.5
  Top Layer w0.2: X1.1@27.209,37.567 28.727,37.567 31.346,34.948 IC3.3
  Top Layer w0.25: C21.2 X1.1@27.209,37.567
OSC_IN: C22.2 IC3.8 X2.1 | length 10.3
  Top Layer w0.2: C22.2 26.741,31.369 27.284,30.826 27.284,30.631 27.639,30.276 29.59,30.276 31.762,32.448 IC3.8
OSC_OUT: C23.2 IC3.9 X2.3 | length 8.5
  Top Layer w0.2: C23.2 28.194,28.936 X2.3 28.384,29.226 28.884,29.726 29.878,29.726 32.1,31.948 IC3.9
RELAY: IC3.23 R1.1 | length 34.4
  Top Layer w0.2: IC3.23 40.452,27.697 40.869,27.28 41.453,27.28 42.469,28.296 63.271,28.296 66.497,25.07 66.497,19.952 R1.1
SWDCLK: C10.4 IC3.36 R17.2 | length 56.1
  Top Layer w0.2: IC3.36 IC3.36@42.583,35.948 ; R17.2@42.633,41.243 42.633,35.998 IC3.36@42.583,35.948 ; v1@66.243,58.471 66.243,42.697 59.494,35.948 IC3.36@42.583,35.948 ; v1(69.317,58.471) 69.329,58.458 74.638,58.458 C10.4
  Bottom Layer w0.2: v1(66.218,58.496) 66.23,58.483 69.304,58.483 v1(69.317,58.471)
SWDIO: C10.3 IC3.35 | length 51.9
  Top Layer w0.2: IC3.35 60.187,35.448 67.234,42.494 67.234,58.09 70.129,60.985 C10.3
UART1_RX: IC3.32 S1.11 | length 31.3
  Top Layer w0.2: IC3.32 60.084,33.948 S1.11
UART1_TX: IC3.29 S1.12 | length 30.8
  Top Layer w0.2: IC3.29 61.124,32.448 S1.12
UART2_RX: IC3.14 S1.9 | length 53.8
  Top Layer w0.2: IC3.14 35.952,27.752 v1(36.703,27)
  Bottom Layer w0.25: v1(36.703,27) 36.796,27 37.024,26.772 60.757,26.772 65.913,31.928 65.913,47.93 66.65,48.666 S1.9
UART2_TX: IC3.13 S1.10 | length 53
  Top Layer w0.2: IC3.13 35.452,26.976 v1(35.453,26.975)
  Bottom Layer w0.25: v1(35.453,26.975) 36.342,26.086 61.087,26.086 66.7,31.699 66.7,45.441 67.386,46.126 S1.10
UART3_RX: IC3.48 R16.2 | length 23.3
  Top Layer w0.2: v1(33.601,50.8) 33.466,50.664 33.466,50.204 31.013,47.752 31.013,42.443 35.384,38.073 35.402,38.073 35.452,38.023 IC3.48
  Top Layer w0.25: R16.2 v1(36.297,53.95)
  Bottom Layer w0.2: v1(33.601,50.8) 33.627,50.775 36.119,50.775 36.297,50.952 v1(36.297,53.95)
UART3_TX: IC3.47 R15.2 | length 18.2
  Top Layer w0.2: R15.2 34.773,52.133 34.773,50.317 31.674,47.219 31.674,42.962 34.834,39.802 35.952,38.684 IC3.47
VBAT: BT1.1 DIO4.2 IC3.4 | length 34.4
  Top Layer w0.2: IC3.4 v1(35.56,34.448)
  Top Layer w0.5: DIO4.2@38.787,18.644 41.656,18.644 42.85,19.837 v1(42.85,27.584)
  Top Layer w0.8: DIO4.2 38.761,18.669 38.787,18.644 38.811,18.619 BT1.1
  Bottom Layer w0.5: v1(35.56,34.448) 41.574,34.448 42.85,33.172 v1(42.85,27.584)
VCC: C6.2 DIO1.2 DIO2.2 DIO3.2 J2.2 K1.1 L1.1 LS1.1 | length 124.7
  Top Layer w0.5: J2.2@27.711,5.613 J2.2 ; DIO2.2 77.775,20.803 K1.1
  Top Layer w0.8: DIO3.2 v1(10.262,30.709) ; v1(14.453,23.393) 14.478,23.419 14.478,34.925 LS1.1 14.503,36.588 14.796,36.881 DIO1.2 ; L1.1 34.303,16.424 34.303,14.491 v1(34.341,14.453)
  Bottom Layer w0.8: v1(10.262,30.709) 14.326,30.709 v1(14.427,30.607) ; v1(14.453,23.393) 34.646,23.393 ; J2.2 28.118,5.512 C6.2 30.378,13.284 33.872,13.284 34.341,13.753 v1(34.341,14.453) 34.341,23.089 34.646,23.393 ; K1.1 78.918,21.793 77.318,23.393 34.646,23.393
pads on no net: IC2.4 IC2.5 IC2.6 IC2.7 IC2.8 IC2.11 IC2.12 IC2.13 IC2.14 IC2.16 IC2.17 IC2.18 IC2.19 IC2.20 IC2.21 IC2.22 IC2.23 IC2.24 IC2.26 IC2.29 IC2.30 IC2.31 IC2.32 IC2.33 IC2.36 IC2.37 IC3.1 IC3.11 IC3.12 IC3.15 IC3.16 IC3.17 IC3.18 IC3.19 IC3.20 IC3.21 IC3.22 IC3.28 IC3.30 IC3.31 IC3.33 IC3.34 IC3.43 M1.5 M1.6

## Polygon pours and split planes (outlines as drawn)
GND on Top Layer "NONET_L-01_P-001" (solid, remove dead copper, pour order 0): 0.025,0.025 0.051,0 80.484,0 80.484,75.421 80.391,75.514 80.326,75.449 0.051,75.449
GND on Bottom Layer "NONET_L-01_P-001" (solid, remove dead copper, pour order 1): 0.025,0.127 80.289,0.127 80.391,0.229 80.391,75.413 0.087,75.413 0,75.5

## Keep-outs
Keep-Out Layer:
  lines w0.2: -0.008,75.492 80.492,75.492 80.492,-0.008 0,-0.008 0,75.5

## Other copper
Multi-Layer:
  pour cut-out: 64.618,16.866 64.618,0.025 64.643,0 80.484,0 80.492,-0.008 80.492,16.84 80.569,16.916
  pour cut-out: 26.086,40.665 26.086,37.135 28.27,37.135 28.296,37.16 28.296,40.665
  pour cut-out: 0,75.5 0.051,75.449 0.051,69.012 31.166,69.012 31.191,68.986 31.242,69.037 31.242,75.438

## Silkscreen, mask and mechanical layers (free items; w line width, h text height)
Top Overlay:
  lines w0.254: 35.814,55.753 44.348,55.753 44.348,71.45 35.814,71.45
  text "+3.3V" at 36.776,69.491 h1.2
  text "+3.3" at 68.069,67.027 h1
  text "GND" at 36.674,66.926 h1.2
  text "TXD" at 36.852,64.31 h1.2
  text "GND" at 68.78,62.938 h1
  text "RXD" at 36.751,61.82 h1.2
  text "DIO" at 68.907,60.474 h1
  text "GPIO0" at 36.7,59.179 h1.2
  text "CLK" at 68.831,57.934 h1
  text "ESP_EN" at 36.573,56.61 h1.2
  text "LED_ESP" at 5.331,50.862 h1
  text "LED0" at 5.382,46.022 h1
  text "LED1" at 5.382,40.916 h1
  text "MD0" at 77.137,36.116 h1
  text "POWER" at 5.382,35.989 h1
  text "MD1" at 77.035,33.677 h1
  text "0v" at 36.144,4.445 h2
  text "VCC" at 21.387,3.251 h2

## Text inside footprints (layer, text, board x,y; h text height)
C1: Top Overlay "+" at 9.575,14.518 h1.5 r270
LS1: Top Overlay "+" at 15.215,36.36 h1.52 r90